# KiCad board PiComputeModuleBreakout.kicad_pcb (continued)
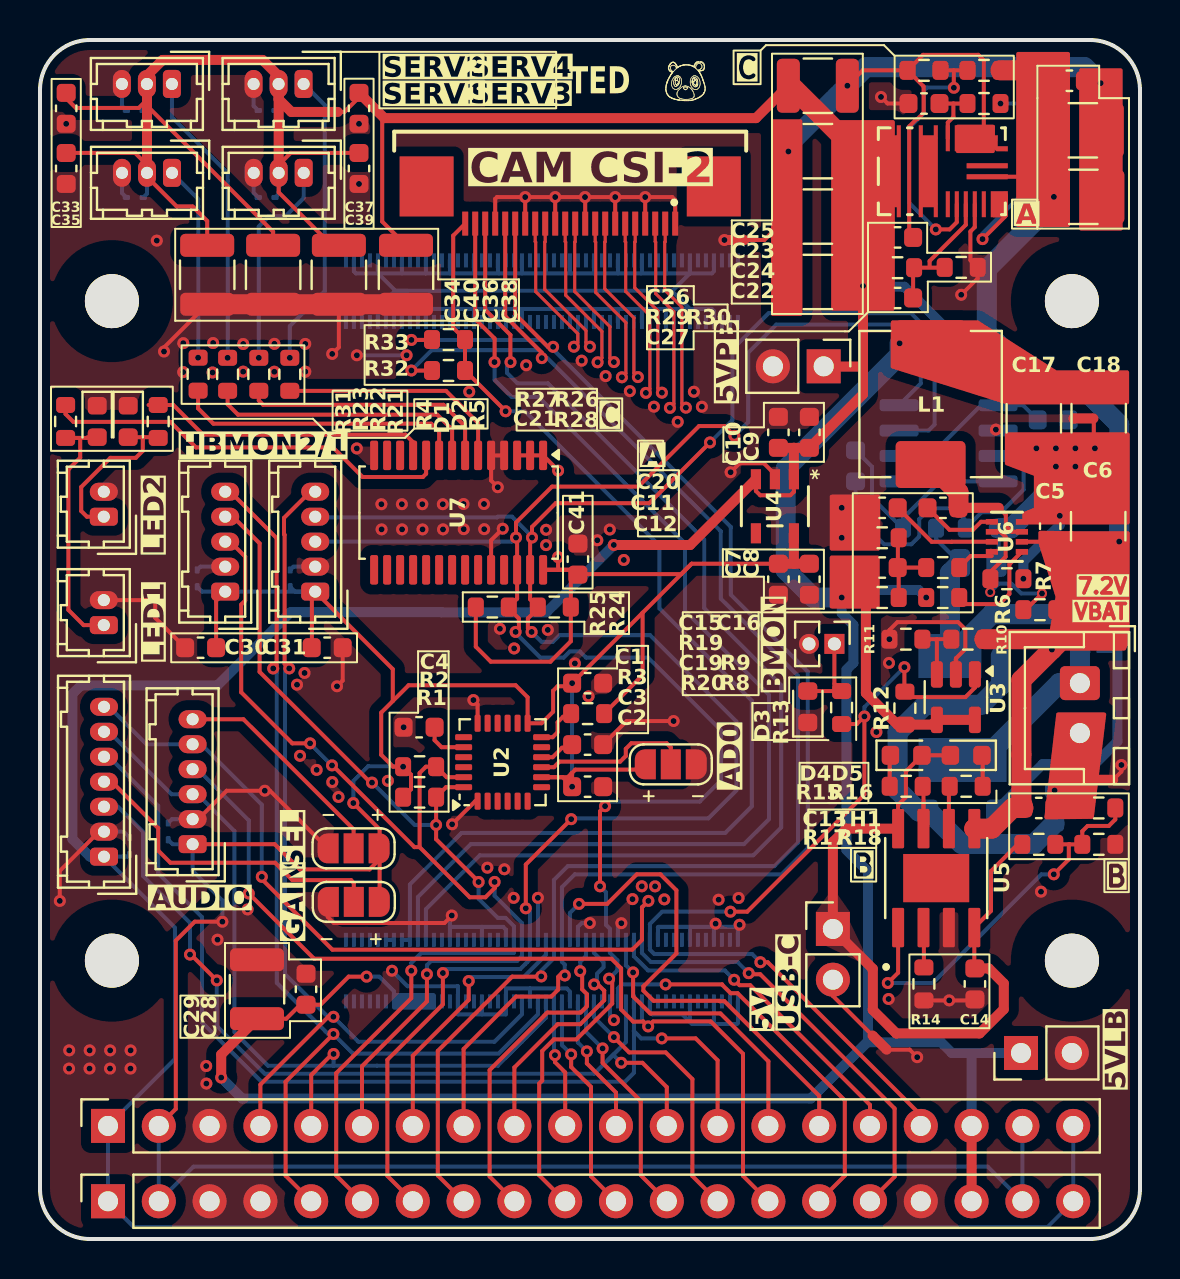
[diagram p0: board, top side]
## Routing (per net, layer and track width the routed paths; a pad name or vN(x,y) marks a point on that pad's centre or on a via; arc(x,y) is an arc through that point) (continued)
Net-(U8-VCC): length 3.3
  Top w0.2: 45.67,56.82 45.67,56.15 45.39,55.87 U8.6 ; 45.67,56.82 C21.1 ; 45.67,56.82 R28.1
Net-(U9-IN+): length 11
  Bottom w0.2: 40.78,39.46 41.6,38.64 41.6,37.09 43.16,35.54 43.16,36.07 44.99,37.91 47.91,37.91
Net-(U9-IN-): length 16
  Bottom w0.2: C32.2 40.78,36.19 42.2,34.76 43.57,34.76 43.96,35.16 43.96,36.02 44.51,36.57 45.67,36.57 46.29,35.95 R37.2 47.08,36.37 48.05,36.37 49.18,37.5 49.18,38.57 48.57,39.18 47.91,39.18

## Copper pours and planes (outline as drawn; the poured copper is in the pictures)
5VLBUS on Top (solid shape): 54.35,41.87 48.34,41.87 42.64,43.66 42.64,45.87 46.87,45.87 50.79,43.37 54.35,43.37
GND on Top: 55.79,60.62 -0.64,60.62 -0.64,-0.53 55.79,-0.53
GND on Bottom: 57.46,-1.87 57.46,61.94 -2.43,61.94 -2.43,-1.87
GND on In1.Cu: 56.33,-0.95 56.33,61.03 -1.22,61.03 -1.22,-0.95
GND on In2.Cu: 56.88,-1.4 56.88,61.52 -1.81,61.52 -1.81,-1.4
GNDPWR on Top (solid shape): 49.21,35.86 54.38,35.86 54.38,40.27 48.34,40.27 48.34,38.82 49.79,38.27 49.79,36.52 49.21,36.29
BAT+ on Top (solid shape): 50.02,35.34 51.79,35.32 54.38,35.32 54.38,29.96 54.2,29.55 50.43,29.55 50.88,32.14 50.02,34.84
BAT- on Top (solid shape): 50.91,26.25 53.21,26.25 52.6,21.12 50.32,21.1

Small or netless copper shapes (teardrops, artwork), in the pictures only: 2 on Top

## Text on the board
B.Silkscreen: TED Peripheral Board - Darren Liu | BYPS
F.Silkscreen: VBAT | 7.2V | C | B | A | AUDIO | HBMON2/1 | SERV2 | SERV1 | SERV4 | SERV3 | LED2 | LED1 | SEL | GAIN | 5VPB | AD0 | 5V | BMON | USB-C | 5VLB | CAM CSI-2 | TED
